# Altium PCB FRONT-UNIT-7.PcbDoc
Units mm, origin at the board's own origin, x right, y up, seen from the top; angles counter-clockwise.
Board outline 220 x 110.5 mm, 2 copper layers (Top Layer, Top, Bottom Layer, Bottom), stack 1.671 mm thick; 107 components, 86 nets, 419 pads, 93 vias.
Unrouted connection lines stored in the file: 4.
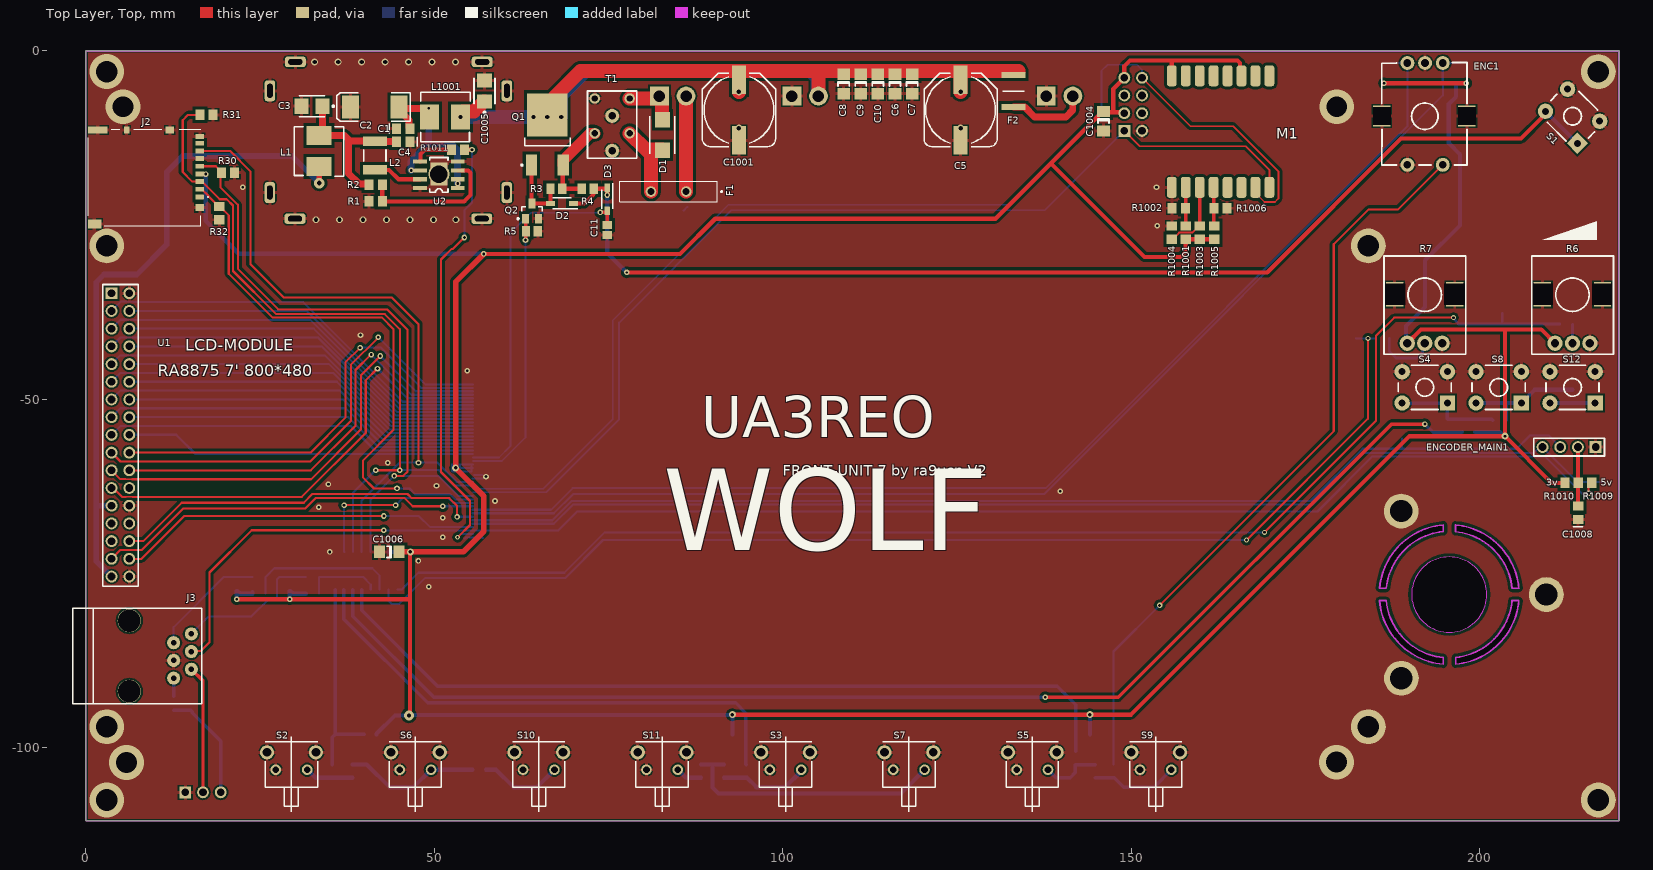
[diagram p0: Top Layer, Top view]
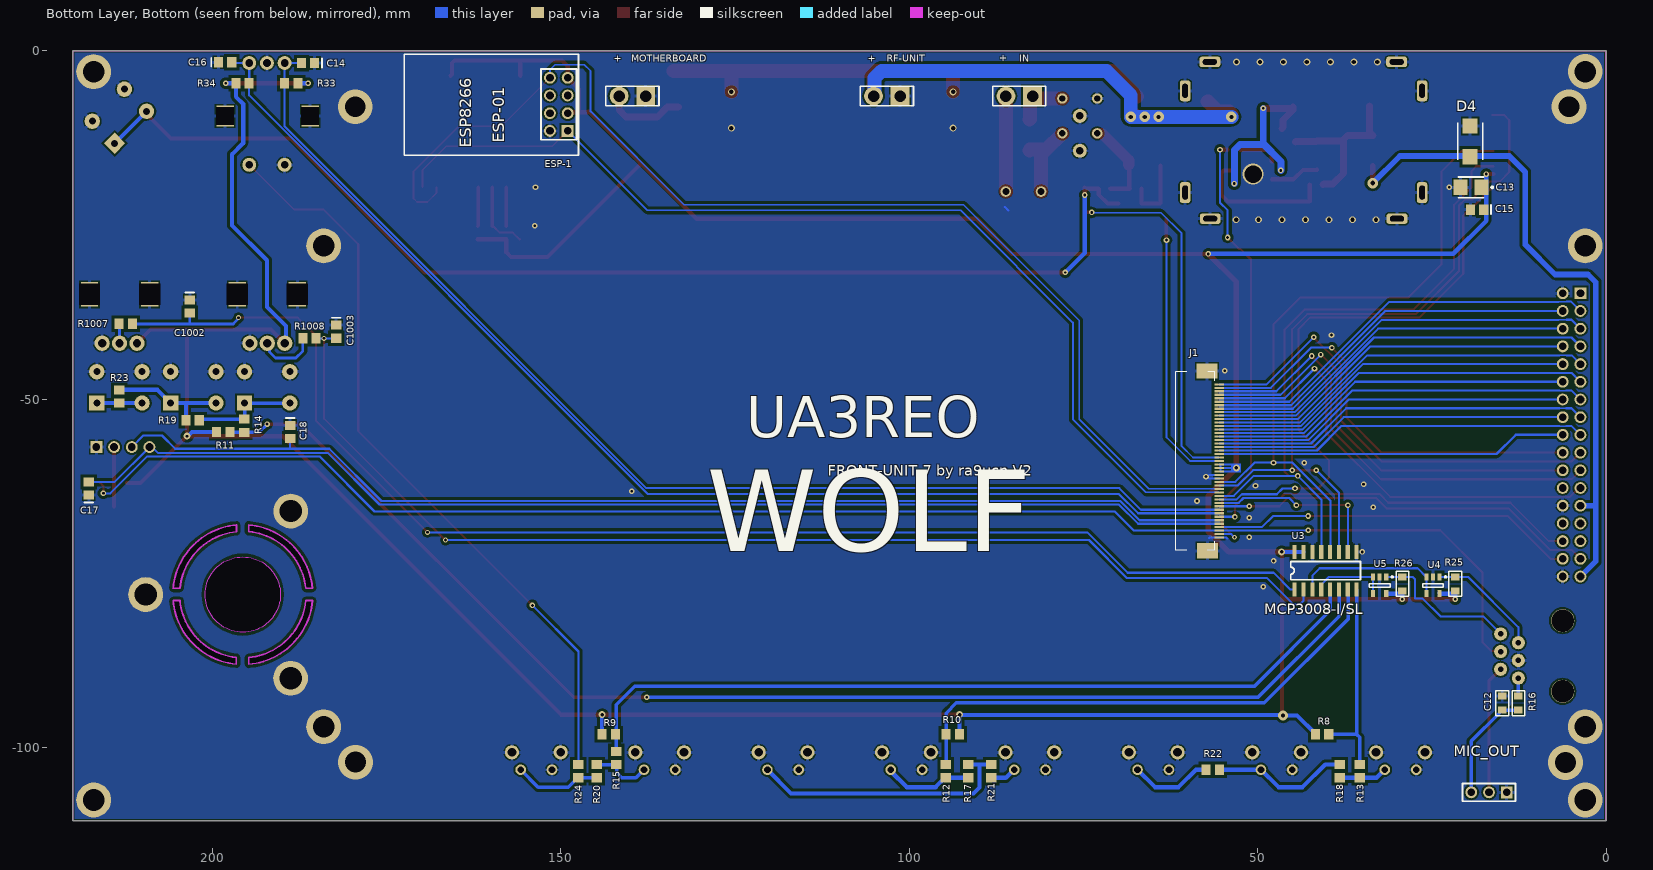
[diagram p1: Bottom Layer, Bottom view, seen from below]

## Layer stack, top to bottom
Top Solder, Top Mask: solder mask 0.0102, Solder Resist, Dk 3.5
Top Layer, Top: signal copper 0.0356
Dielectric 1: dielectric 1.6, FR-4, Dk 4.8
Bottom Layer, Bottom: signal copper 0.0356
Bottom Solder, Bot Mask: solder mask 0.0102, Solder Resist, Dk 3.5

## Board outline
0,-110.5 0,0 220,0 220,-110.5
cut-out: 190.2,-78.025 ccw(c195.6,-78.025) 195.6,-83.425 ccw(c195.6,-78.025) 201,-78.025 ccw(c195.6,-78.025) 195.6,-72.625 ccw(c195.6,-78.025)
cut-out: 196.546,-88.013 ccw(c195.6,-78.025) 205.595,-78.902 205.55,-78.875 204.625,-78.875 204.623,-78.897 cw(c195.6,-78.025) 196.546,-87.041 196.525,-87.075
cut-out: 196.502,-69.009 cw(c195.6,-78.025) 204.615,-77.114 204.625,-77.125 205.575,-77.125 205.596,-77.123 ccw(c195.6,-78.025) 196.506,-68.029 196.5,-68.05
cut-out: 185.607,-77.126 cw(c195.6,-78.025) 194.736,-68.029 194.75,-68.05 194.75,-69 194.727,-68.997 ccw(c195.6,-78.025) 186.575,-77.125
cut-out: 185.6,-78.875 186.55,-78.875 186.566,-78.894 ccw(c195.6,-78.025) 194.751,-87.061 194.75,-87.075 194.75,-88 194.746,-88.025 cw(c195.6,-78.025)

## Design rules (kind name [scope] priority, off if disabled: settings)
BoardOutlineClearance [All] p1: gap=0.3 ignorepadtopadclearanceinfootprint=FALSE
Clearance Clearance_NPTH [All vs InPadClass('NPTH')] p1: gap=0.4 ignorepadtopadclearanceinfootprint=FALSE except(0: Arc-Hole Track-Hole SMDPad-Hole THPad-Hole Via-Hole Fill-Hole Poly-Hole Region-Hole Text-Hole)
Clearance Clearance_MultiLayerPad [OnLayer('Multi-Layer') and IsPad] p2: gap=0.25 ignorepadtopadclearanceinfootprint=FALSE except(0: Arc-Hole Track-Hole SMDPad-Hole THPad-Hole Via-Hole Fill-Hole Poly-Hole Region-Hole Text-Hole)
Clearance Clearance_Polygon [InPolygon] p3: gap=0.4 ignorepadtopadclearanceinfootprint=FALSE except(0: Arc-Hole Track-Hole SMDPad-Hole THPad-Hole Via-Hole Fill-Hole Poly-Hole Region-Hole Text-Hole; 1: Poly-Poly)
Clearance [All] p4: gap=0.15 ignorepadtopadclearanceinfootprint=FALSE except(0: Arc-Hole Track-Hole SMDPad-Hole THPad-Hole Via-Hole Fill-Hole Poly-Hole Region-Hole Text-Hole)
ComponentClearance [All] p1: gap=0 collisioncheckmode=3 verticalgap=0 showdistances=FALSE
Height [All] p1: minheight=0 maxheight=60 prefheight=12.7
HoleSize [All] p1: absolutevalues=TRUE maxlimit=5 minlimit=0.025 maxpercent=80.000 minpercent=20.000
HoleToHoleClearance [All] p1: gap=0.2 allowstackedmicrovias=TRUE
MinimumSolderMaskSliver [All] p1: minsoldermaskwidth=0.04
PlaneClearance [All] p1: clearance=0.5
PlaneConnect [All] p1: planeconnectstyle=Relief reliefexpansion=0.5 reliefentries=4 reliefconductorwidth=0.3 reliefairgap=0.2
PolygonConnect PolygonConnect_PowerPAD [All vs InPadClass('PowerPAD')] p1: connectstyle=Relief reliefconductorwidth=1 reliefentries=4 polygonreliefangle="90 Angle" airgapwidth=0.3
PolygonConnect PolygonConnect_PadGND [InNet('GND') and IsPad] p2: connectstyle=Relief reliefconductorwidth=0.5 reliefentries=4 polygonreliefangle="90 Angle" airgapwidth=0.2
PolygonConnect PolygonConnect_Via [IsVia] p3: connectstyle=Direct reliefconductorwidth=0.254 reliefentries=4 polygonreliefangle="90 Angle" airgapwidth=0.254
PolygonConnect [All] p4: connectstyle=Relief reliefconductorwidth=0.6 reliefentries=4 polygonreliefangle="90 Angle" airgapwidth=0.3
RoutingVias [All] p1: holewidth=0.3 width=0.7 viastyle="Through Hole" minholewidth=0.3 minwidth=0.7 maxholewidth=3 maxwidth=5
SilkToSilkClearance [All] p1: silktosilkclearance=0
SilkToSolderMaskClearance [IsPad] p1: minsilkscreentomaskgap=0.05 clearancetoexposedcopper=TRUE
SolderMaskExpansion [All] p1: expansion=0.075 istentingtop=FALSE
Width [All] p1: maxlimit=10 minlimit=0.15 preferedwidth=0.3
21 further rules are at their usual default settings.

## Components (designator, comment, footprint, x,y, rotation, side; value= is the part's Value field where it differs from the comment)
C1 "100n" CAP_0805 45.339,-11.162 r0 top
C2 "4.7uF 16V" SMC 41.439,-8.062 r180 top
C3 "22uF 10V" CAPAE_4.3x4.3h5.4 32.839,-7.962 r180 top
C4 "100n" CAP_0805 45.739,-13.062 r180 top
C5 "470uF 25V" SMD-G-10X10.2 125.5,-8.5 r90 top value=470µF
C6 "1uF" CAP_1206 116.088,-4.765 r270 top
C7 "100n" CAP_1206 118.546,-4.765 r270 top
C8 "1n" CAP_1206 108.714,-4.765 r270 top
C9 "470p" CAP_1206 111.172,-4.765 r270 top
C10 "120p" CAP_1206 113.63,-4.765 r270 top
C11 "8.2n" CAPC2013X94X50LL20T25 74.8,-25.7 r90 top
C12 "0.1" CH0805C 14.9,-93.6 r270 bottom
C13 "22uF 10V" EEEFC_sizeB 19,-19.6 r0 bottom
C14 "100n" CAP_0805 186.039,-1.762 r0 bottom
C15 "100n" CAP_0805 18.3,-22.8 r0 bottom
C16 "100n" CAP_0805 198.339,-1.662 r180 bottom
C17 "10n" CAP_0805 217.7,-63 r90 bottom
C18 "10n" CAP_0805 188.8,-54.5 r270 bottom
C1001 "470uF 25V" SMD-G-10X10.2 93.7,-8.5 r90 top value=470µF
C1002 "10n" CAP_0805 203.2,-36.5 r270 bottom
C1003 "10n" CAP_0805 182.2,-40.1 r270 bottom
C1004 "1uF" CAP_1206 146,-10.1 r270 top
C1005 "1uF 20V" CAPAE_4.3x4.3h5.4 57.2,-6.2 r90 top
C1006 "1uF" CAP_1206 43.5,-71.9 r180 top
C1008 "100n" CAP_0805 214.1,-66.5 r90 top
D1 "SM6T15A" SMBJ36CATR 82.7,-12.1 r90 top
D2 "1n4148w" SOD3716X135N 68.3,-21.9 r180 top
D3 "1n4148w" SOD3716X135N 74.8,-21.3 r270 top
D4 "SMAJ5.0A-TR" SMBJ36CATR 19.5,-13 r90 bottom
ENC1 "PEC12" PEC12 192.039,-9.062 r0 top
ENCODER_MAIN1 "OPTICAL ENCODER" 644456-4 212.8,-57.5 r180 top
ESP-1 "ESP-01 ESP8266" "ESP-01 ESP8266" 159.931,-7.74 r90 bottom
F1 "RUEF400" RUEF400 83.6,-20.2 r180 top
F2 "MF-MSMF110_16-2" FUSC4632X85N 133.1,-5.8 r270 top
IN "JX2" JX2 84.195,-6.5 r0 bottom value=13.8V
J1 "FPC-45P-0.5mm" FH12S45S05SH60 56.15,-58.86 r270 bottom
J2 "DM3AT-SF-PEJM5" DM3ATSFPEJM5 8.94,-18.2 r270 top
J3 "CONN-08590" RJ11-6 6.239,-86.842 r270 top
L1 "10uH" IND_7x7 33.439,-14.462 r90 top
L2 "3.3uH" IND_1812 41.475,-15.025 r90 top
L1001 "10uH" IND_7x7 51.6,-9.5 r180 top
M1 "ESP-07S" ESP-07S 162.8,-11.6 r270 top
MIC_OUT "51022-0300" "51022-0200 - duplicate" 15.53,-107.035 r0 bottom
MOTHERBOARD "JX2" JX2 139.7,-6.5 r0 bottom value=13.8V
Q1 "IRFR9024NPBF" ONSC-DPAK-3-369C-01_V 66.2,-12 r90 top
Q2 "BSS123" FAIR-SOT23-3_V 64,-23 r0 top
R1 "4.7k" RES_0805#1 41.575,-21.625 r0 top
R2 "15k" RES_0805#1 41.575,-19.225 r180 top
R3 "30k" RESC2013X60X40NL20T25 67.5,-19.8 r0 top
R4 "30k" RESC2013X60X40NL20T25 72,-19.8 r180 top
R5 "30k" RESC2013X60X40NL20T25 64,-25.9 r180 top
R6 "ptv09a-4225f-b102" PTV09#1 213.3,-36.5 r0 top value="AF GAIN 1k"
R7 "ptv09a-4225f-b102" PTV09#2 192.1,-36.5 r0 top value="SHIFT 1k"
R8 "4.7k" RES_0805#1 40.739,-98.1 r0 bottom
R9 "4.7k" RES_0805#1 143.1,-98.1 r0 bottom
R10 "4.7k" RES_0805#1 93.739,-98.1 r180 bottom
R11 "4.7k" RES_0805#1 198.4,-54.7 r0 bottom
R12 "1k" RES_0805#1 94.739,-103.36 r90 bottom
R13 "1k" RES_0805#1 35.339,-103.36 r90 bottom
R14 "1k" RES_0805#1 195.4,-53.8 r270 bottom
R15 "1k" RES_0805#1 142.049,-101.462 r90 bottom
R16 "100" CH0805R 12.6,-93.6 r270 bottom
R17 "2k" RES_0805#1 91.539,-103.36 r270 bottom
R18 "2k" RES_0805#1 38.239,-103.36 r270 bottom
R19 "2k" RES_0805#1 202.8,-53 r180 bottom
R20 "2k" RES_0805#1 144.839,-103.36 r90 bottom
R21 "4.7k" RES_0805#1 88.239,-103.36 r90 bottom
R22 "4.7k" RES_0805#1 56.439,-103.16 r180 bottom
R23 "4.7k" RES_0805#1 213.3,-49.6 r90 bottom
R24 "4.7k" RES_0805#1 147.439,-103.36 r270 bottom
R25 "47k" CH0805R 21.64,-76.5 r270 bottom
R26 "47k" CH0805C 29.24,-76.5 r270 bottom
R30 "3.3k" RES_0805#1 20.4,-17.5 r180 top
R31 "3.3k" RES_0805#1 17.3,-9.2 r180 top
R32 "3.3k" RES_0805#1 19.14,-23.3 r90 top
R33 "4.7k" RES_0805#1 188.639,-4.662 r180 bottom
R34 "4.7k" RES_0805#1 195.639,-4.662 r0 bottom
R1001 "4.7k" RES_0805#1 157.8,-26.1 r90 top
R1002 "0" RES_0805#1 156.8,-22.6 r180 top
R1003 "4.7k" RES_0805#1 159.8,-26.1 r90 top
R1004 "0" RES_0805#1 155.8,-26.1 r90 top
R1005 "4.7k" RES_0805#1 161.9,-26.1 r90 top
R1006 "0" RES_0805#1 162.8,-22.6 r0 top
R1007 "4.7k" RES_0805#2 212.4,-39.2 r180 bottom
R1008 "4.7k" RES_0805#1 186.039,-41.262 r180 bottom
R1009 "0" RES_0805#1 213.15,-62 r180 top
R1010 "0" RES_0805#1 215.1,-62 r0 top
R1011 "0" RES_0805#1 53.4,-14.2 r0 top
RF-UNIT "JX2" JX2 103.2,-6.5 r0 bottom value=13.8V
S1 "PTS645SK50LFS" PTS645SK50LFS 213.3,-9.4 r135 top value=PWR
S2 "PTS645SK50LFS" L-X 31.739,-103.16 r180 top
S3 "PTS645SK50LFS" L-X 102.629,-103.16 r180 top
S4 "PTS645SK50LFS" PTS645SK50LFS 192.1,-48.3 r180 top
S5 "PTS645SK50LFS" L-X 138.036,-103.16 r180 top
S6 "PTS645SK50LFS" L-X 49.518,-103.16 r180 top
S7 "PTS645SK50LFS" L-X 120.332,-103.16 r180 top
S8 "PTS645SK50LFS" PTS645SK50LFS 202.7,-48.3 r180 top
S9 "PTS645SK50LFS" L-X 155.739,-103.16 r180 top
S10 "PTS645SK50LFS" L-X 67.222,-103.16 r180 top
S11 "PTS645SK50LFS" L-X 84.925,-103.16 r180 top
S12 "PTS645SK50LFS" PTS645SK50LFS 213.3,-48.3 r180 top
T1 "TRANSF_ICORE" TRANSF_ICORE 75.5,-10.6 r270 top
U1 "LCD-RA8875" LCD-RA8875 0,0 r0 top locked
U2 "ST1S10" ST1S10 50.65,-17.8 r180 top
U3 "MCP3008-I/SL" MCP3008-I/SL 40.24,-74.6 r90 bottom
U4 "MCP6001UT" SOT23-5 24.84,-76.7 r270 bottom
U5 "MCP6001UT" SOT23-5 32.49,-76.7 r270 bottom

## Footprints (in the part's own frame and the unit in brackets; to place one, negate y for a bottom-side part, rotate by r counter-clockwise, add the part's x,y. Pads: shape width x height; smd on the part's side, far side on the other; paste and mask are expansions set on the pad)
"51022-0200 - duplicate" [mm]
  rect 1.7x1.7 hole 1.1: 1(-1.27,-0.635)
  round 1.7 hole 1.1: 2(1.27,-0.635) 3(3.81,-0.635)
  silkscreen extent -2.54,-1.91 5.08,0.64
644456-4 [mm]
  rect 1.7x1.7 hole 1.1: 1(-3.81,-0.635)
  round 1.7 hole 1.1: 2(-1.27,-0.635) 3(1.27,-0.635) 4(3.81,-0.635)
  silkscreen extent -5.08,-1.91 5.08,0.64
CAP_0805 [mm]
  rect 1.3x1.5 smd: 1(-0.75,0) 2(1.15,0)
  silkscreen extent -1.8,-0.65 -1.8,0.65
CAP_1206 [mm]
  rect 1.6x1.8 smd: 1(-1.4,0) 2(1.4,0)
  silkscreen extent -0.3,-0.8 0.3,0.8
CAPAE_4.3x4.3h5.4 [mm]
  rect 2x2.2 smd: 1(-1.1,0) 2(1.9,0)
  silkscreen extent -2.9,-1.5 2.2,1.5
CAPC2013X94X50LL20T25 [mm] "Chip Capacitor, 2-Leads, Body 2.01x1.25mm, IPC High Density"
  rect 1.15x1.35 smd: 1(-0.725,0) 2(0.725,0)
  body extent -1.1,-0.72 1.1,0.72, height 0.94
CH0805C [mm] "Chip Capacitor, 2-Leads, Body 2,00x1,20mm, IPC Medium Density"
  rect 1x1.25 smd: 1(-1,0) 2(1,0)
  silkscreen extent -1.8,-0.9 1.8,0.9, body extent -1,-0.62 1,0.63, height 0.78
CH0805R [mm]
  rect 1x1.25 smd: 1(-1,0) 2(1,0)
  silkscreen extent -1.8,-0.9 1.8,0.9, body extent -1,-0.6 1,0.6, height 0.44
DM3ATSFPEJM5 [mm]
  rect 0.7x1.2 smd: 1(2.775,7.412) 2(1.675,7.412) 3(0.575,7.412) 4(-0.525,7.412) 5(-1.625,7.412) 6(-2.725,7.412) 7(-3.825,7.412) 8(-4.925,7.412) MP2(-5.875,7.412)
  rect 1x1.2 smd: MP1(4.325,7.412) MP3(-6.825,3.112)
  rect 1x0.8 smd: MP4(-6.825,-3.087)
  rect 1x2.8 smd: MP5(-6.825,-7.237)
  rect 1.3x1.9 smd: MP6(6.675,-7.688)
  silkscreen extent -6.93,-8.64 6.93,8.64, body extent -7.24,-8.64 7.19,7.94, height 1.93
EEEFC_sizeB [mm]
  rect 2x2.2 smd: 1(-1.1,0) 2(1.9,0)
  silkscreen extent -2.9,-1.5 2.2,1.5
"ESP-01 ESP8266" [mm]
  round 1.7 hole 1.1: 1(-3.76,-8.4) 2(-1.22,-8.4) 3(1.32,-8.4) 4(3.86,-8.4) 6(-1.22,-10.94) 7(1.32,-10.94) 8(3.86,-10.94)
  rect 1.7x1.7 hole 1.1: 5(-3.76,-10.94)
  silkscreen extent -7.25,-12.5 7.25,12.5
ESP-07S [mm]
  rrect50% 3x1.4 smd: 1(-8,7) 2(-8,5) 3(-8,3) 4(-8,1) 5(-8,-1) 6(-8,-3) 7(-8,-5) 8(-8,-7) 9(8,-7) 10(8,-5) 11(8,-3) 12(8,-1) 13(8,1) 14(8,3) 15(8,5) 16(8,7)
  body extent -8,-8.7 8,13.3, height 3.5
FAIR-SOT23-3_V [mm] "SOT23, 3-Leads, Body 2.92x1.3mm, Pitch 0.95mm"
  rect 1x1.4 smd: 1(-0.95,-1.1) 2(0.95,-1.1) 3(0,1.1)
  silkscreen extent -2.12,-1.22 1.46,0.65, body extent -1.46,-0.65 1.46,0.65, height 1.2
FH12S45S05SH60 [mm]
  rect 0.3x1.3 smd: 1(-11,0.65) 2(-10.5,0.65) 3(-10,0.65) 4(-9.5,0.65) 5(-9,0.65) 6(-8.5,0.65) 7(-8,0.65) 8(-7.5,0.65) 9(-7,0.65) 10(-6.5,0.65) 11(-6,0.65) 12(-5.5,0.65) 13(-5,0.65) 14(-4.5,0.65) 15(-4,0.65) 16(-3.5,0.65) 17(-3,0.65) 18(-2.5,0.65) 19(-2,0.65) 20(-1.5,0.65) 21(-1,0.65) 22(-0.5,0.65) 23(0,0.65) 24(0.5,0.65) 25(1,0.65) 26(1.5,0.65) 27(2,0.65) 28(2.5,0.65) 29(3,0.65) 30(3.5,0.65) 31(4,0.65) 32(4.5,0.65) 33(5,0.65) 34(5.5,0.65) 35(6,0.65) 36(6.5,0.65) 37(7,0.65) 38(7.5,0.65) 39(8,0.65) 40(8.5,0.65) 41(9,0.65) 42(9.5,0.65) 43(10,0.65) 44(10.5,0.65) 45(11,0.65)
  rect 2.2x3 smd: 46(-12.9,-1.1) 47(12.9,-1.04)
  silkscreen extent -12.8,-5.6 12.8,0, body extent -13.62,-5.6 13.62,1.27, height 2.1
FUSC4632X85N [mm]
  rect 0.85x3.43 smd: 1(-2.3,0) 2(2.3,0)
  silkscreen extent 0,-1.52 0,1.52, body extent -2.28,-1.62 2.28,1.62, height 0.85
IND_7x7 [mm]
  rect 2.7x3.6 smd: 1(-2.159,0) 2(2.286,0)
  silkscreen extent -3.56,-3.56 3.56,3.56
IND_1812 [mm]
  rect 1.4x3.4 smd: 1(-2.05,0) 2(2.05,0)
  silkscreen extent -0.8,-1.6 0.8,1.6
JX2 [mm]
  rect 2.7x2.7 hole 1.65: 1(-1.905,0)
  round 2.7 hole 1.65: 2(1.905,0)
  silkscreen extent -3.81,-1.4 3.81,1.4
L-X [mil]
  round 60 hole 38 paste-1.97 mask+1.97: 1(0,0) 2(177.17,0)
  round 80 hole 50 paste-1.97 mask+1.97: 3(226.38,-98.43) 4(-49.21,-98.43)
  silkscreen extent -59,-187 236,236
LCD-RA8875 [mm]
  rect 1.7x1.7 hole 1.1: 1(3.683,-34.798)
  round 1.7 hole 1.1: 2(6.223,-34.798) 3(3.683,-37.338) 4(6.223,-37.338) 5(3.683,-39.878) 6(6.223,-39.878) 7(3.683,-42.418) 8(6.223,-42.418) 9(3.683,-44.958) 10(6.223,-44.958) 11(3.683,-47.498) 12(6.223,-47.498) 13(3.683,-50.038) 14(6.223,-50.038) 15(3.683,-52.578) 16(6.223,-52.578) 17(3.683,-55.118) 18(6.223,-55.118) 19(3.683,-57.658) 20(6.223,-57.658) 21(3.683,-60.198) 22(6.223,-60.198) 23(3.683,-62.738) 24(6.223,-62.738) 25(3.683,-65.278) 26(6.223,-65.278) 27(3.683,-67.818) 28(6.223,-67.818) 29(3.683,-70.358) 30(6.223,-70.358) 31(3.683,-72.898) 32(6.223,-72.898) 33(3.683,-75.438) 34(6.223,-75.438)
  silkscreen extent 2.41,-76.83 7.5,-33.53
MCP3008-I/SL [mm]
  rect 2x0.6 smd: 1(-2.7,4.445) 2(-2.7,3.175) 3(-2.7,1.905) 4(-2.7,0.635) 5(-2.7,-0.635) 6(-2.7,-1.905) 7(-2.7,-3.175) 8(-2.7,-4.445) 9(2.7,-4.445) 10(2.7,-3.175) 11(2.7,-1.905) 12(2.7,-0.635) 13(2.7,0.635) 14(2.7,1.905) 15(2.7,3.175) 16(2.7,4.445)
  silkscreen extent -1.3,-5 1.3,5
ONSC-DPAK-3-369C-01_V [mm] "DPAK, 3-Leads, Body 6.54x6.095mm, Pitch 2.29mm"
  rect 3x1.6 smd: 1(-4.4,2.29) 3(-4.4,-2.29)
  rect 6.2x5.8 smd: 4(2.8,0)
  silkscreen extent -4.52,-3.27 -0.45,3.76, body extent -1.6,-3.27 4.49,3.27, height 2.38
PEC12 [mm]
  round 2 hole 1.1: 1(-2.44,-7.302) 2(2.64,-7.302) 3(2.64,7.302) 4(0.1,7.302) 5(-2.44,7.302)
  rect 2.5x3 hole 2.5 square: 6(-6.1,-0.318) 7(6.1,-0.318)
  silkscreen extent -6.12,-7.32 6.12,7.38
PTS645SK50LFS [mm]
  rect 2.2x2.2 hole 1: 1(-3.25,2.25)
  round 2.2 hole 1: 2(3.25,2.25) 3(3.25,-2.25) 4(-3.25,-2.25)
  silkscreen extent -3.81,-3.17 3.81,3.18
PTV09#1 [mm]
  round 2.2 hole 1.2: 1(-2.515,-5.465) 3(2.485,-5.465)
  round 2.2 hole 1.2 mask+0.075: 2(-0.015,-5.465)
  rect 2.5x3.5 hole 3 square: 4(-4.327,1.535) 5(4.297,1.535)
  silkscreen extent -5.87,-7.03 5.87,7.03
PTV09#2 [mm]
  round 2.2 hole 1.2: 1(-2.515,-5.465) 2(-0.015,-5.465) 3(2.485,-5.465)
  rect 2.5x3.5 hole 3 square: 4(-4.327,1.535) 5(4.297,1.535)
  silkscreen extent -5.87,-7.03 5.87,7.03
RES_0805#1 [mm]
  rect 1.3x1.5 smd: 1(-0.95,0) 2(0.95,0)
RES_0805#2 [mm]
  rect 1.3x1.5 smd mask+0.075: 1(-0.95,0)
  rect 1.3x1.5 smd: 2(0.95,0)
RESC2013X60X40NL20T25 [mm] "Chip Resistor, 2-Leads, Body 2.00x1.25mm, IPC Medium Density"
  rect 1.2x1.45 smd: 1(-0.85,0) 2(0.85,0)
  body extent -1.1,-0.72 1.1,0.72, height 0.6
RJ11-6 [mil] "54601-906WPLF CONN MOD JACK 6P6C R/A UNSHLD"
  round 131.89 hole 128: 0(-200,0) 0(200,0)
  round 74 hole 31.5: 1(-125,350) 2(-75,250) 3(-25,350) 4(25,250) 5(75,350) 6(125,250)
  silkscreen extent -270,-320 270,410, body extent -262,-310 258,399, height 453
RUEF400 [mm]
  round 1.515 hole 1.01: 1(-2.525,0) 2(2.525,0)
  silkscreen extent -7.7,-1.5 7,1.5, body extent -7,-1.5 7,1.5, height 19.1
SMBJ36CATR [mm]
  rect 2.2x2.15 smd: 1(-2.2,0) 2(2.2,0)
  silkscreen extent -2.68,-1.81 2.68,1.81, body extent -3.09,-1.81 3.08,1.81, height 2.75
SMC [mm] "DO-214-AB/SMC; 2 C-Bend Leads; Body 7.9 x 5.9 mm, inc. leads (LxW)"
  rect 2.4x3.3 smd: 1(-3.475,0) 2(3.475,0)
  silkscreen extent -5.07,-2.05 5.43,2.05
SMD-G-10X10.2 [mm] "10X7.7, 8.7, 10, 10.5, 12.5"
  rect 4.1x2 smd paste-0.05 mask+0.05: 1(4.35,0) 2(-4.35,0)
  silkscreen extent -5.25,-5.25 5.25,5.25, body extent -5.85,-5.15 5.85,5.15
SOD3716X135N [mm]
  rect 1.25x0.75 smd: 1(-1.65,0) 2(1.65,0)
  silkscreen extent -2.27,-0.77 1.35,0.77, body extent -1.85,-0.78 1.85,0.78, height 1.35
SOT23-5 [mm] "SOT23, 5-Leads, Body 2,90x2,80mm, Pitch 0,95mm, IPC Medium Density"
  rect 1x0.6 smd: 1(-1.2,0.95) 2(-1.2,0) 3(-1.2,-0.95) 4(1.2,-0.95) 5(1.2,0.95)
  round 0.5 on Mech2: ""(-1.1,1.1)
  silkscreen extent -1.32,-1.5 0.25,1.92, body extent -1.5,-1.5 1.5,1.5, height 1.3
ST1S10 [mm]
  rect 2x0.6 smd: 1(-2.7,1.905) 2(-2.7,0.635) 3(-2.7,-0.635) 4(-2.7,-1.905) 5(2.7,-1.905) 6(2.7,-0.635) 7(2.7,0.635) 8(2.7,1.905)
  rect 2.41x3.3 smd: 9(0,-0.1)
  silkscreen extent -1.32,-2.5 1.32,2.5
TRANSF_ICORE [mm]
  round 2 hole 1.1: LCG1(-1.25,0.01) LCG2(3.75,0.01)
  round 1.5 hole 0.9: LCG3(-3.75,-2.49) LCP(1.25,-2.49) P(1.25,2.51) PSG(-3.75,2.51)
  silkscreen extent -4.81,-3.54 4.81,3.54

## Part data
C1 C4 C14 C15 C16 C17 C18 C1008: library part CAP_0805, "CAP_0805"
C2: library part CAPAE_6.6x6.6h5.4, "CAPAE_6.6x6.6h5.4"
C3 C1005: library part CAPAE_4.3x4.3h5.4, "CAPAE_4.3x4.3h5.4"
C5 C1001: library part "SMD-G 470uF 25V", "CAP ALUM 470UF 20% 25V SMD", Lifetime @ Temp=2000Hrs@105℃, Manufacturer=KEMET, Manufacturer PartNumber=EDH477M025A9PAA, Package / Case="G, 0.394\" Dia (10.00mm)", Temp.Characteristic="–55 °C to +105 °C", Tolerance="±20 %", Voltage=25V, Assembly type="Manual Part", ComponentLink2URL=http://www.mouser.com/ds/2/315/ABA0000C1181-947564.pdf, Dealer Digi-Key=https://www.digikey.com/product-detail/en/kemet/EDH477M025A9PAA/EDH477M025A9PAA-ND/6597660, Dealer Аlternative=https://detail.1688.com/offer/541866342432.html, Detailed Description="470µF 25V Aluminum Electrolytic Capacitors Radial, Can - SMD  2000 Hrs @ 105°C", HelpURL=https://api.kemet.com/component-edge/download/datasheet/EDH477M025A9PAA.pdf, Note="Aluminum Electrolytic Capacitors", PartNumber Digi-Key=EDH477M025A9PAA, Pricing Digi-Key=0.21, Pricing Аlternative=0.05, Publisher="Catcatcat Electronics", website developer=http://catcatcat.d-lan.dp.ua/
C6 C7 C8 C9 C10 C1004 C1006: library part CAP_1206, "CAP_1206"
C11: library part CMP-2007-04444-1, "CAP_1206", Manufacturer="AVX Interconnect / Elco", Part Number=08055C822KAT2A
C12: library part Capacitor
C13: library part EEEFC_sizeB, "EEEFC_sizeB"
C1002 C1003: library part CAP_0805
D1: "Diode", Manufacturer_Name=STMicroelectronics, Mouser Part Number=511-SM6T15A, RS Part Number=4864915P, Allied_Number=70390432, Allied Price/Stock=http://www.alliedelec.com/stmicroelectronics-sm6t15a/70390432/, Datasheet Link=http://www.st.com/web/en/resource/technical/document/datasheet/CD00000725.pdf, Height=2.65mm, Manufacturer_Part_Number=SM6T15A, Mouser Price/Stock=https://www.mouser.com/Search/Refine.aspx?Keyword=511-SM6T15A, RS Price/Stock=http://uk.rs-online.com/web/p/products/4864915P
D2 D3: "Diode", Manufacturer_Name=Vishay, Datasheet Link=http://www.vishay.com/docs/85748/1n4148w.pdf, Height=1.35mm, Manufacturer_Part_Number=1n4148w
D4: library part SMLVT3V3, "Diode", LCSC Part #=test, Manufacturer_Name=STMicroelectronics, Mouser Part Number=511-SMLVT3V3, RS Part Number=5444821P, Allied Price/Stock=http://www.alliedelec.com/stmicroelectronics-smlvt3v3/70013736/, Allied_Number=70013736, Datasheet Link=http://www.st.com/web/en/resource/technical/document/datasheet/CD00000923.pdf, Height=2.65mm, Manufacturer_Part_Number=SMLVT3V3, Mouser Price/Stock=https://www.mouser.com/Search/Refine.aspx?Keyword=511-SMLVT3V3, RS Price/Stock=http://uk.rs-online.com/web/p/products/5444821P
ENCODER_MAIN1: library part 644456-4
F1: "Fuse", Manufacturer_Name=LITTELFUSE, Mouser Part Number=650-RUEF400, RS Part Number=5176837P, Datasheet Link=https://componentsearchengine.com/Datasheets/1/RUEF400.pdf, Height=19mm, Manufacturer_Part_Number=RUEF400, Mouser Price/Stock=https://www.mouser.co.uk/ProductDetail/Littelfuse/RUEF400?qs=hv6pn79dJPQHuFVnpNF%2FDg%3D%3D, RS Price/Stock=http://uk.rs-online.com/web/p/products/5176837P
F2: "Fuse", Manufacturer_Name=Bourns, Manufacturer_Part_Number=MF-MSMF110/16-2, Mouser Part Number=652-MF-MSMF110/16-2, RS Part Number=6478207P, Allied_Number=70153434, Allied Price/Stock=https://www.alliedelec.com/bourns-mf-msmf110-16-2/70153434/, Datasheet Link=https://componentsearchengine.com/Datasheets/2/MF-MSMF110_16-2.pdf, Height=0.85mm, Mouser Price/Stock=https://www.mouser.co.uk/ProductDetail/Bourns/MF-MSMF110-16-2?qs=wksszfECgvir54ST3ixUHA%3D%3D, RS Price/Stock=http://uk.rs-online.com/web/p/products/6478207P
J1: library part FH12S-45S-0.5SH_55_, "Connector", Manufacturer_Name=Hirose, Manufacturer_Part_Number=FH12S-45S-0.5SH(55), Mouser Part Number=798-FH12S-45S-05SH55, RS Part Number=1620942, Datasheet Link=https://www.hirose.com/product/en/download_file/key_name/FH12S-45S-0.5SH%2855%29/category/Drawing%20(2D)/doc_file_id/43881/?file_category_id=6&item_id=05860665055&is_series=, Height=2mm, Mouser Price/Stock=https://www.mouser.co.uk/ProductDetail/Hirose-Connector/FH12S-45S-05SH55?qs=0N%252BVULUZFj%252BE0LA99Ny0NA%3D%3D, RS Price/Stock=http://uk.rs-online.com/web/p/products/1620942
J2: "Connector", Manufacturer_Name=HRS(Hirose), Datasheet Link=https://datasheet.lcsc.com/szlcsc/Hirose-HRS-DM3AT-SF-PEJM5_C114218.pdf, Height=1.83mm, Manufacturer_Part_Number=DM3AT-SF-PEJM5
J3: library part RJ11-6, "RJ11 6P6C", Supplier Part Number 1=609-4729-ND, PROD_ID=CONN-08590, SF_ID=PRT-00132, Supplier 1=Digi-Key
L1 L1001: library part IND_FERRITE_CORE, "Inductor"
L2: library part IND_1812, "IND_1812"
Q1: library part CMP-1058-00387-1, "IRFR9024NPBF, Транзистор, Р-канал 55В 11А", Manufacturer="On Semiconductor", Package Type="DPAK-3, IPAK-4", PartNumber=NTD2955G, Channel Polarity="P Channel", Ciss Typ (pF)=500, ComponentLink1Description="Manufacturer URL", ComponentLink1URL=http://www.onsemi.com/, ComponentLink2Description=Datasheet, ComponentLink2URL=http://www.onsemi.cn/pub_link/Collateral/NTD2955-D.PDF, ComponentLink3Description="Package Specification", ComponentLink3URL=http://www.onsemi.cn/pub_link/Collateral/369C.PDF, Configuration=Single, Coss Typ (pF)=150, Crss Typ (pF)=50, DatasheetVersion="Rev. 13", ID Max (A)=12, Mounting Technology="Surface Mount", PackageDescription="3-Pin Flange Mount, Body 6.54 x 6.095 mm, Pitch 2.29 mm", PackageReference=DPAK-3-369C-01, PackageVersion="Rev. E, 02/2014", Packing="Tape and Reel", PD Max (W)=55, Qrr Typ (nC)=100, RoHS=Pb-Free, V(BR)DSS Min (V)=60, VGS(th) Max (V)=4, VGS Max (V)=20
Q2: library part CMP-2000-04934-1, "N-Channel Logic Level Enhancement Mode Field Effect Transistor, 1.7 V, -55 to 150 degC, 3-Pin SOT-23, RoHS, Tape and Reel", Manufacturer=Fairchild, Maximum Continuous Drain Current=0.17A, Maximum Drain Source Voltage=100V, Maximum Gate Source Voltage=±20V, Operating Temperature=-55to150degC, Package=3SOT-23, Package Description="3-Pin Small Outline Transistor, Body 2.92 x 1.325 mm, Pitch 0.95 mm", Package Reference=SOT23-3, Package Version="Rev. 12, 03/2016", Category=MOSFET, Channel Mode=Enhancement, Channel Type=N, Datasheet URL=https://www.fairchildsemi.com/datasheets/BS/BSS123.pdf, Datasheet Version=Jun-03, Manufacturer URL=https://www.fairchildsemi.com/, Mounting=SurfaceMount, Package URL=http://www.fairchildsemi.com/dwg/MA/MA03D.pdf, Packaging=Tape&Reel, Rad Hard=No, RDS-on=6000@10VmOhm, Typical Fall Time=2.4ns, Typical Rise Time=9ns, Typical Turn-Off Delay Time=17ns, Typical Turn-On Delay Time=1.7ns
R1 R2 R8 R9 R10 R11 R12 R13 R14 R15 R17 R18 R19 R20 R21 R22 R23 R24 R30 R31 R32 R33 R34 R1001 R1002 R1003 R1004 R1005 R1006 R1007 R1008 R1009 R1010 R1011: library part RES_0805, "RES_0805"